# Altium PCB STB_LightBoard.PcbDoc (part 27 of 31)
Units mm, origin at the board's own origin, x right, y up, seen from the top; angles counter-clockwise.
Board outline 348 x 348 mm, 2 copper layers (Top Layer, Bottom Layer), stack 1.672 mm thick; 3807 components, 3391 nets, 11616 pads, 2553 vias.
Unrouted connection lines stored in the file: 68.
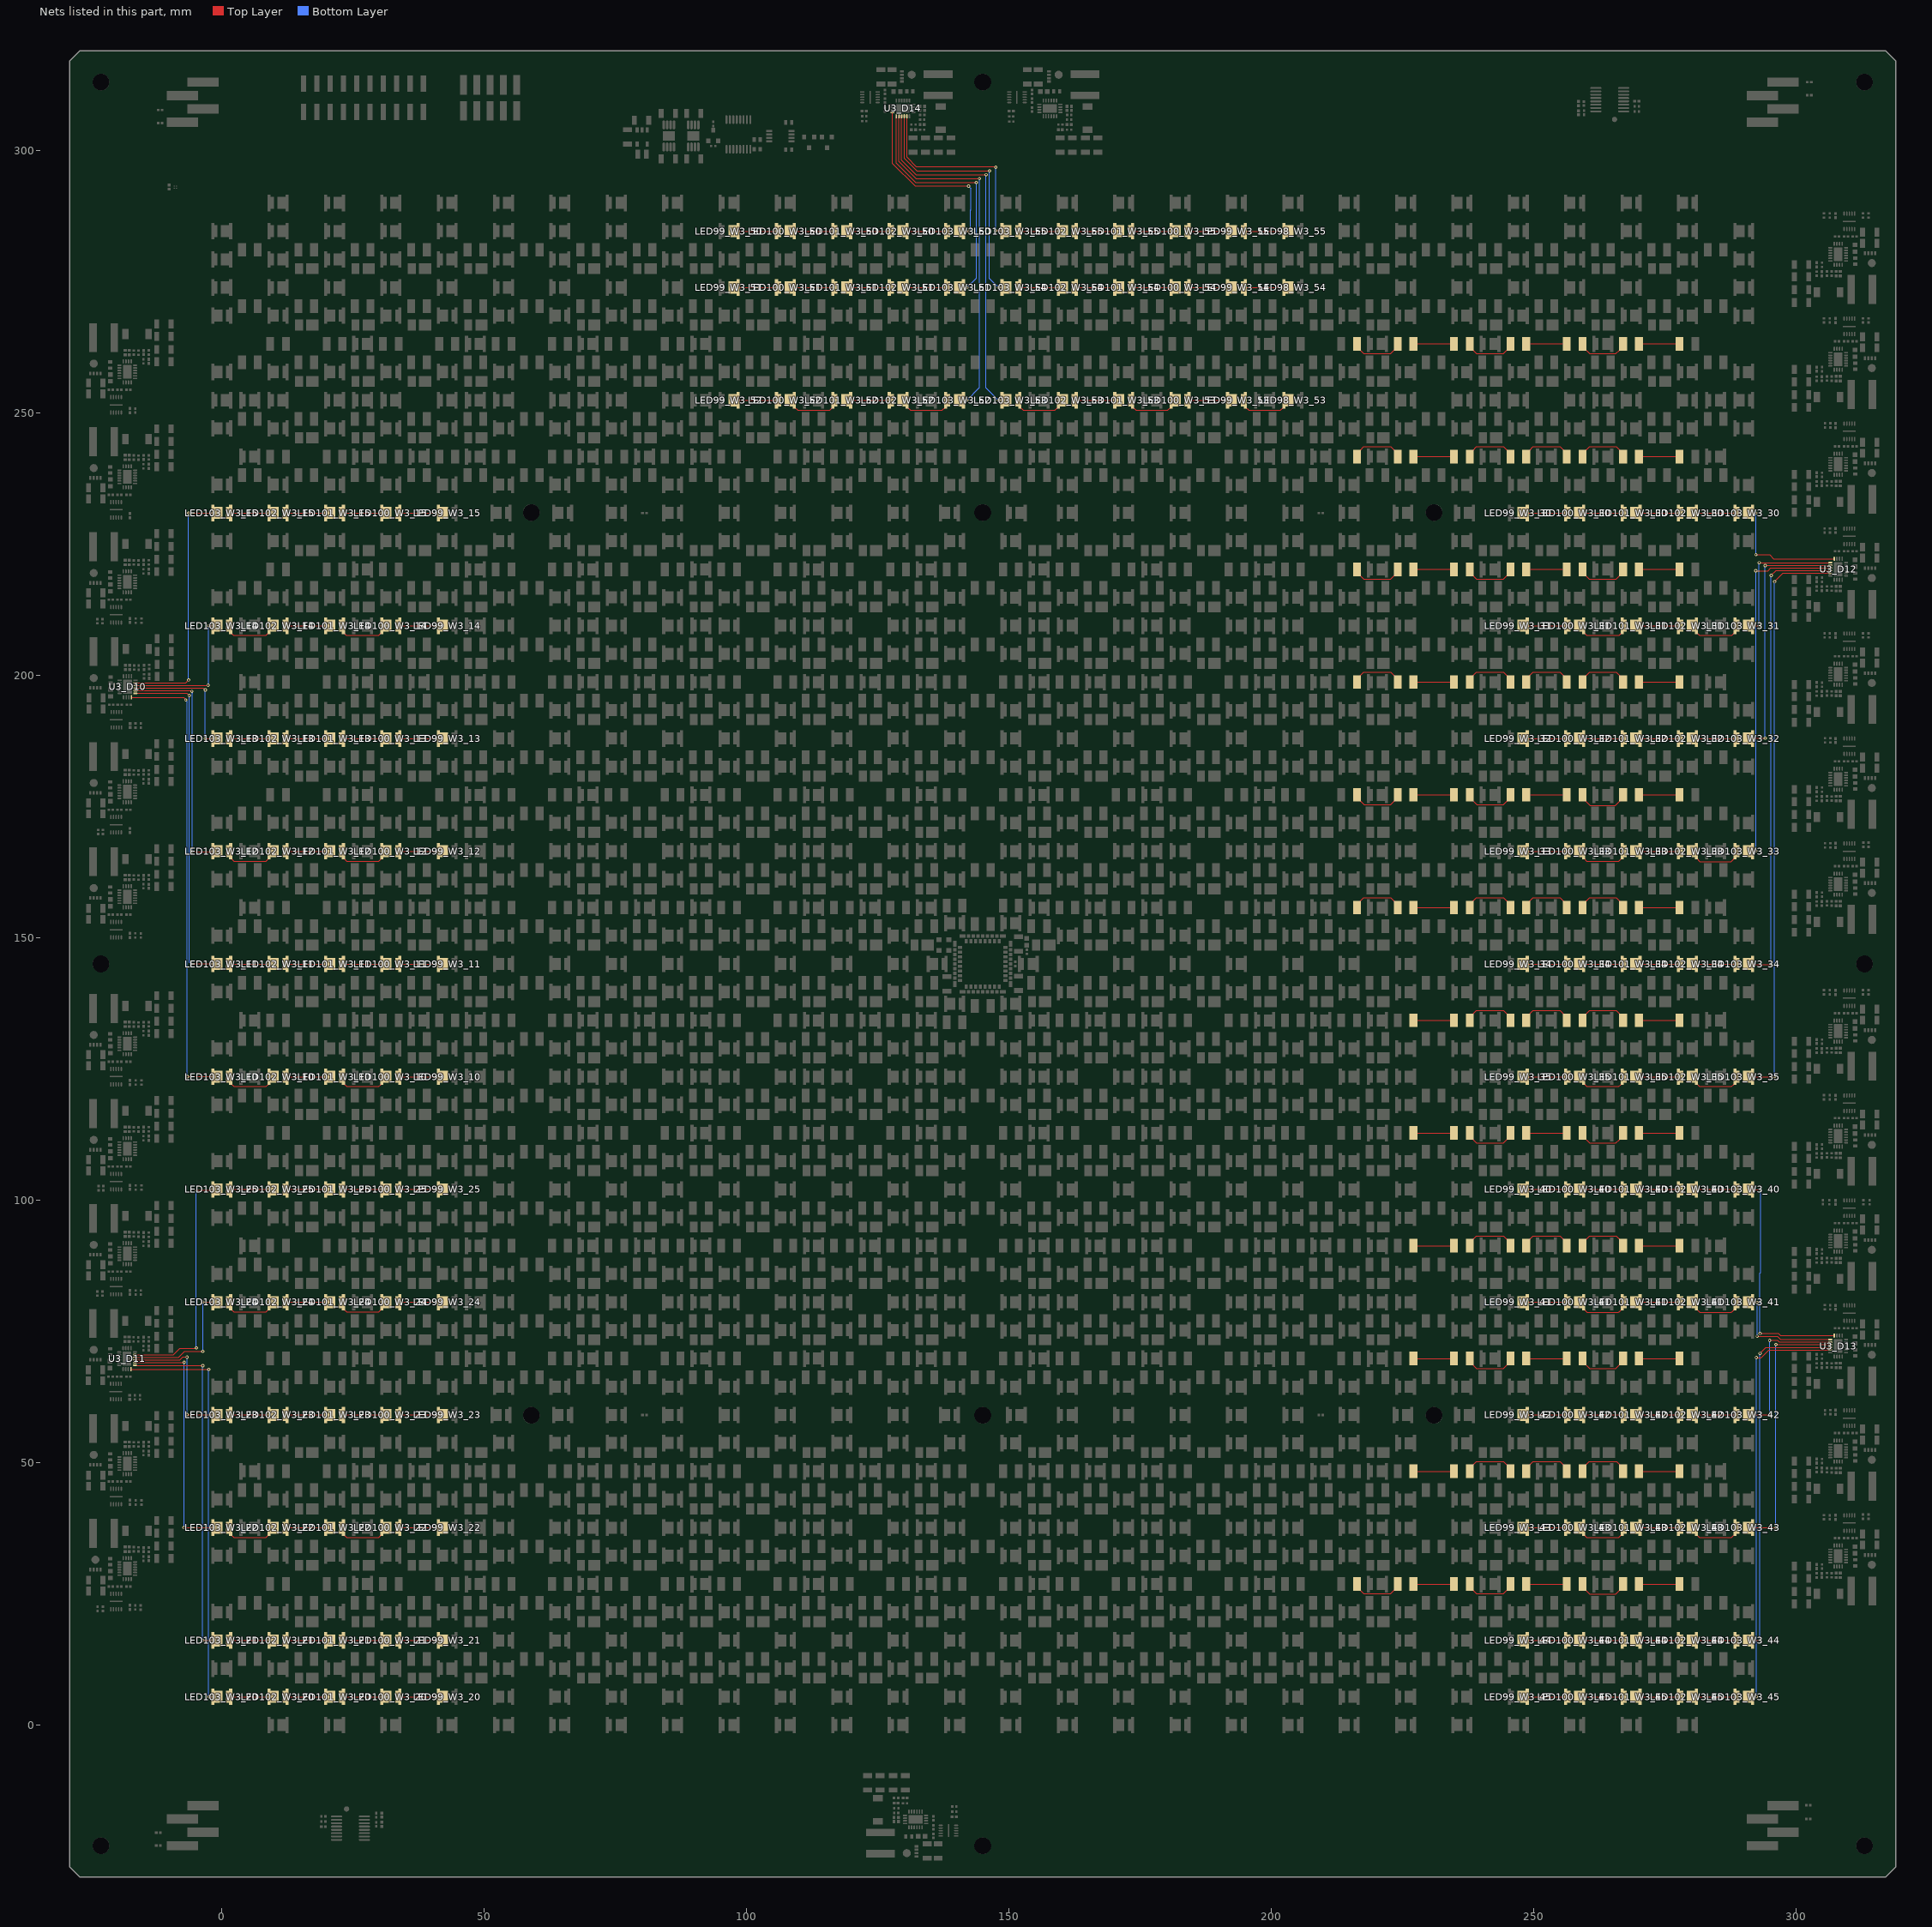
[diagram p27: the nets of this part, all layers, seen from the top]

## Via types
v1: diameter 0.604, hole 0.3, Top Layer to Bottom Layer, tented both sides, 2553 vias

## Nets (pads, with @x,y where several pads share a name; then routed paths per layer and width w, separated by ;. In a path a pad name is that pad's centre, name@x,y a point inside that pad or via, vN(x,y) a via of type N, cw(c..) or ccw(c..) an arc to the next point about the centre after c; other vN are vias at no path point) (continued)
NetLED98_W3_53_1: LED98_W3_53.1 LED99_W3_53.2 | length 14
  Top Layer w0.2: LED98_W3_53.1@202.431,252.368 202.454,252.39 LED98_W3_53.1@203.444,252.39 ; LED99_W3_53.2@195.037,251.115 LED99_W3_53.2@195.038,252.39 LED99_W3_53.2@195.037,251.115 ; LED99_W3_53.2@195.037,251.115 195.652,250.5 201.763,250.5 LED98_W3_53.1@202.378,251.115 ; LED98_W3_53.1@202.378,251.115 LED98_W3_53.1@202.379,252.39 LED98_W3_53.1@202.378,251.115
NetLED98_W3_54_1: LED98_W3_54.1 LED99_W3_54.2 | length 18
  Top Layer w0.2: LED99_W3_54.2@194.665,273.86 195.255,273.86 202.596,273.86 203.661,273.86 202.379,273.86 LED99_W3_54.2@194.665,273.86
NetLED98_W3_55_1: LED98_W3_55.1 LED99_W3_55.2 | length 9
  Top Layer w0.2: LED99_W3_55.2@194.423,284.61 195.488,284.61 202.829,284.61 LED98_W3_55.1@203.419,284.61
NetLED99_W3_10_1: LED99_W3_10.1 LED100_W3_10.2 | length 9
  Top Layer w0.2: LED100_W3_10.2@33.333,123.51 LED100_W3_10.2@33.923,123.51 LED99_W3_10.1@41.264,123.51 LED99_W3_10.1@42.329,123.51
NetLED99_W3_11_1: LED99_W3_11.1 LED100_W3_11.2 | length 9
  Top Layer w0.2: LED100_W3_11.2@33.333,144.99 LED100_W3_11.2@33.923,144.99 LED99_W3_11.1@41.264,144.99 LED99_W3_11.1@42.329,144.99
NetLED99_W3_12_1: LED99_W3_12.1 LED100_W3_12.2 | length 9
  Top Layer w0.2: LED100_W3_12.2@33.333,166.47 LED100_W3_12.2@33.923,166.47 LED99_W3_12.1@41.264,166.47 LED99_W3_12.1@42.329,166.47
NetLED99_W3_13_1: LED99_W3_13.1 LED100_W3_13.2 | length 9
  Top Layer w0.2: LED100_W3_13.2@33.333,187.95 LED100_W3_13.2@33.923,187.95 LED99_W3_13.1@41.264,187.95 LED99_W3_13.1@42.329,187.95
NetLED99_W3_14_1: LED99_W3_14.1 LED100_W3_14.2 | length 9
  Top Layer w0.2: LED100_W3_14.2@33.333,209.43 LED100_W3_14.2@33.923,209.43 LED99_W3_14.1@41.264,209.43 LED99_W3_14.1@42.329,209.43
NetLED99_W3_15_1: LED99_W3_15.1 LED100_W3_15.2 | length 9
  Top Layer w0.2: LED100_W3_15.2@33.333,230.91 LED100_W3_15.2@33.923,230.91 LED99_W3_15.1@41.264,230.91 LED99_W3_15.1@42.329,230.91
NetLED99_W3_20_1: LED99_W3_20.1 LED100_W3_20.2 | length 9
  Top Layer w0.2: LED100_W3_20.2@33.333,5.37 LED100_W3_20.2@33.923,5.37 LED99_W3_20.1@41.264,5.37 LED99_W3_20.1@42.329,5.37
NetLED99_W3_21_1: LED99_W3_21.1 LED100_W3_21.2 | length 9
  Top Layer w0.2: LED100_W3_21.2@33.333,16.11 LED100_W3_21.2@33.923,16.11 LED99_W3_21.1@41.264,16.11 LED99_W3_21.1@42.329,16.11
NetLED99_W3_22_1: LED99_W3_22.1 LED100_W3_22.2 | length 9
  Top Layer w0.2: LED100_W3_22.2@33.333,37.59 LED100_W3_22.2@33.923,37.59 LED99_W3_22.1@41.264,37.59 LED99_W3_22.1@42.329,37.59
NetLED99_W3_23_1: LED99_W3_23.1 LED100_W3_23.2 | length 9
  Top Layer w0.2: LED100_W3_23.2@33.333,59.07 LED100_W3_23.2@33.923,59.07 LED99_W3_23.1@41.264,59.07 LED99_W3_23.1@42.329,59.07
NetLED99_W3_24_1: LED99_W3_24.1 LED100_W3_24.2 | length 9
  Top Layer w0.2: LED100_W3_24.2@33.333,80.55 LED100_W3_24.2@33.923,80.55 LED99_W3_24.1@41.264,80.55 LED99_W3_24.1@42.329,80.55
NetLED99_W3_25_1: LED99_W3_25.1 LED100_W3_25.2 | length 9
  Top Layer w0.2: LED100_W3_25.2@33.333,102.03 LED100_W3_25.2@33.923,102.03 LED99_W3_25.1@41.264,102.03 LED99_W3_25.1@42.329,102.03
NetLED99_W3_30_1: LED99_W3_30.1 LED100_W3_30.2 | length 18
  Top Layer w0.2: LED99_W3_30.1@247.47,230.9 248.06,230.9 255.401,230.9 256.466,230.9 248.743,230.9 LED99_W3_30.1@247.47,230.9
NetLED99_W3_31_1: LED99_W3_31.1 LED100_W3_31.2 | length 8.4
  Top Layer w0.2: LED99_W3_31.1@247.678,209.43 LED99_W3_31.1@248.743,209.43 LED100_W3_31.2@256.084,209.43
NetLED99_W3_32_1: LED99_W3_32.1 LED100_W3_32.2 | length 9
  Top Layer w0.2: LED99_W3_32.1@247.678,187.95 LED99_W3_32.1@248.743,187.95 LED100_W3_32.2@256.084,187.95 LED100_W3_32.2@256.674,187.95
NetLED99_W3_33_1: LED99_W3_33.1 LED100_W3_33.2 | length 8.2
  Top Layer w0.2: LED99_W3_33.1@248.153,166.47 LED99_W3_33.1@248.743,166.47 LED100_W3_33.2@256.084,166.47 LED100_W3_33.2@256.328,166.47
NetLED99_W3_34_1: LED99_W3_34.1 LED100_W3_34.2 | length 9
  Top Layer w0.2: LED99_W3_34.1@247.843,144.99 248.433,144.99 255.774,144.99 LED100_W3_34.2@256.839,144.99
NetLED99_W3_35_1: LED99_W3_35.1 LED100_W3_35.2 | length 7.9
  Top Layer w0.2: LED99_W3_35.1@248.153,123.51 LED99_W3_35.1@248.743,123.51 LED100_W3_35.2@256.084,123.51
NetLED99_W3_40_1: LED99_W3_40.1 LED100_W3_40.2 | length 9
  Top Layer w0.2: LED99_W3_40.1@247.043,102.03 247.633,102.03 254.974,102.03 LED100_W3_40.2@256.039,102.03
NetLED99_W3_41_1: LED99_W3_41.1 LED100_W3_41.2 | length 8.4
  Top Layer w0.2: LED99_W3_41.1@247.678,80.55 LED99_W3_41.1@248.743,80.55 LED100_W3_41.2@256.084,80.55
NetLED99_W3_42_1: LED99_W3_42.1 LED100_W3_42.2 | length 18.5
  Top Layer w0.2: LED99_W3_42.1@248.743,59.07 LED99_W3_42.1@247.678,59.07 ; LED100_W3_42.2@256.084,59.07 LED99_W3_42.1@247.678,59.07 ; LED100_W3_42.2@256.674,59.07 LED99_W3_42.1@247.678,59.07
NetLED99_W3_43_1: LED99_W3_43.1 LED100_W3_43.2 | length 9
  Top Layer w0.2: LED99_W3_43.1@247.678,37.59 LED99_W3_43.1@248.743,37.59 LED100_W3_43.2@256.084,37.59 LED100_W3_43.2@256.674,37.59
NetLED99_W3_44_1: LED99_W3_44.1 LED100_W3_44.2 | length 18.5
  Top Layer w0.2: LED99_W3_44.1@248.743,16.11 LED99_W3_44.1@247.678,16.11 ; LED100_W3_44.2@256.084,16.11 LED99_W3_44.1@247.678,16.11 ; LED100_W3_44.2@256.674,16.11 LED99_W3_44.1@247.678,16.11
NetLED99_W3_45_1: LED99_W3_45.1 LED100_W3_45.2 | length 18.5
  Top Layer w0.2: LED99_W3_45.1@248.743,5.37 LED99_W3_45.1@247.678,5.37 ; LED100_W3_45.2@256.084,5.37 LED99_W3_45.1@247.678,5.37 ; LED100_W3_45.2@256.674,5.37 LED99_W3_45.1@247.678,5.37
NetLED99_W3_50_1: LED99_W3_50.1 LED100_W3_50.2 | length 18
  Top Layer w0.2: LED100_W3_50.2@105.477,284.6 98.136,284.6 97.546,284.6 LED100_W3_50.2@105.477,284.6 ; LED100_W3_50.2@105.477,284.6 106.542,284.6 LED100_W3_50.2@105.477,284.6
NetLED99_W3_51_1: LED99_W3_51.1 LED100_W3_51.2 | length 18
  Top Layer w0.2: LED99_W3_51.1@96.846,273.89 97.436,273.89 104.777,273.89 105.842,273.89 98.369,273.89 LED99_W3_51.1@96.846,273.89
NetLED99_W3_52_1: LED99_W3_52.1 LED100_W3_52.2 | length 9
  Top Layer w0.2: LED99_W3_52.1@97.304,252.39 LED99_W3_52.1@98.369,252.39 LED100_W3_52.2@105.71,252.39 LED100_W3_52.2@106.3,252.39
NetLED99_W3_53_1: LED99_W3_53.1 LED100_W3_53.2 | length 7.9
  Top Layer w0.2: LED100_W3_53.2@183.707,252.39 LED100_W3_53.2@184.297,252.39 LED99_W3_53.1@191.638,252.39
NetLED99_W3_54_1: LED99_W3_54.1 LED100_W3_54.2 | length 18
  Top Layer w0.2: LED100_W3_54.2@183.924,273.86 184.514,273.86 191.855,273.86 192.92,273.86 191.638,273.86 LED100_W3_54.2@183.924,273.86
NetLED99_W3_55_1: LED99_W3_55.1 LED100_W3_55.2 | length 9
  Top Layer w0.2: LED100_W3_55.2@183.682,284.61 184.747,284.61 192.088,284.61 LED99_W3_55.1@192.678,284.61
NetLED100_W3_10_1: LED100_W3_10.1 LED101_W3_10.2 | length 9.1
  Top Layer w0.2: LED101_W3_10.2@23.182,122.235 23.777,121.64 29.928,121.64 30.323,122.035 30.523,122.235 LED100_W3_10.1@30.523,123.51
NetLED100_W3_11_1: LED100_W3_11.1 LED101_W3_11.2 | length 9
  Top Layer w0.2: LED101_W3_11.2@22.592,144.99 LED101_W3_11.2@23.182,144.99 LED100_W3_11.1@30.523,144.99 LED100_W3_11.1@31.588,144.99
NetLED100_W3_12_1: LED100_W3_12.1 LED101_W3_12.2 | length 9.1
  Top Layer w0.2: LED101_W3_12.2@23.182,165.195 23.777,164.6 29.928,164.6 30.323,164.995 30.523,165.195 LED100_W3_12.1@30.523,166.47
NetLED100_W3_13_1: LED100_W3_13.1 LED101_W3_13.2 | length 9
  Top Layer w0.2: LED101_W3_13.2@22.592,187.95 LED101_W3_13.2@23.182,187.95 LED100_W3_13.1@30.523,187.95 LED100_W3_13.1@31.588,187.95
NetLED100_W3_14_1: LED100_W3_14.1 LED101_W3_14.2 | length 12
  Top Layer w0.2: LED101_W3_14.2@22.592,209.43 LED101_W3_14.2@23.182,209.43 23.182,208.155 23.737,207.6 29.968,207.6 30.523,208.155 LED100_W3_14.1@30.523,209.43 LED100_W3_14.1@31.588,209.43
NetLED100_W3_15_1: LED100_W3_15.1 LED101_W3_15.2 | length 9
  Top Layer w0.2: LED101_W3_15.2@22.592,230.91 LED101_W3_15.2@23.182,230.91 LED100_W3_15.1@30.523,230.91 LED100_W3_15.1@31.588,230.91
NetLED100_W3_20_1: LED100_W3_20.1 LED101_W3_20.2 | length 9
  Top Layer w0.2: LED101_W3_20.2@22.592,5.37 LED101_W3_20.2@23.182,5.37 LED100_W3_20.1@30.523,5.37 LED100_W3_20.1@31.588,5.37
NetLED100_W3_21_1: LED100_W3_21.1 LED101_W3_21.2 | length 9
  Top Layer w0.2: LED101_W3_21.2@22.592,16.11 LED101_W3_21.2@23.182,16.11 LED100_W3_21.1@30.523,16.11 LED100_W3_21.1@31.588,16.11
NetLED100_W3_22_1: LED100_W3_22.1 LED101_W3_22.2 | length 9.1
  Top Layer w0.2: LED101_W3_22.2@23.182,36.315 23.777,35.72 29.928,35.72 30.323,36.115 30.523,36.315 LED100_W3_22.1@30.523,37.59
NetLED100_W3_23_1: LED100_W3_23.1 LED101_W3_23.2 | length 9
  Top Layer w0.2: LED101_W3_23.2@22.592,59.07 LED101_W3_23.2@23.182,59.07 LED100_W3_23.1@30.523,59.07 LED100_W3_23.1@31.588,59.07
NetLED100_W3_24_1: LED100_W3_24.1 LED101_W3_24.2 | length 9.1
  Top Layer w0.2: LED101_W3_24.2@23.182,79.275 23.777,78.68 29.928,78.68 30.323,79.075 30.523,79.275 LED100_W3_24.1@30.523,80.55
NetLED100_W3_25_1: LED100_W3_25.1 LED101_W3_25.2 | length 9
  Top Layer w0.2: LED101_W3_25.2@22.592,102.03 LED101_W3_25.2@23.182,102.03 LED100_W3_25.1@30.523,102.03 LED100_W3_25.1@31.588,102.03
NetLED100_W3_30_1: LED100_W3_30.1 LED101_W3_30.2 | length 18
  Top Layer w0.2: LED100_W3_30.1@258.211,230.9 258.801,230.9 266.142,230.9 267.207,230.9 259.484,230.9 LED100_W3_30.1@258.211,230.9
NetLED100_W3_31_1: LED100_W3_31.1 LED101_W3_31.2 | length 11.4
  Top Layer w0.2: LED100_W3_31.1@258.419,209.43 LED100_W3_31.1@259.484,209.43 259.484,208.155 260.039,207.6 266.27,207.6 266.825,208.155 LED101_W3_31.2@266.825,209.43
NetLED100_W3_32_1: LED100_W3_32.1 LED101_W3_32.2 | length 9
  Top Layer w0.2: LED100_W3_32.1@258.419,187.95 LED100_W3_32.1@259.484,187.95 LED101_W3_32.2@266.825,187.95 LED101_W3_32.2@267.415,187.95
NetLED100_W3_33_1: LED100_W3_33.1 LED101_W3_33.2 | length 10.2
  Top Layer w0.2: LED100_W3_33.1@258.419,166.47 LED100_W3_33.1@259.484,166.47 ; LED100_W3_33.1@259.484,165.195 260.079,164.6 266.23,164.6 266.625,164.995 266.825,165.195 LED101_W3_33.2@266.825,166.47
NetLED100_W3_34_1: LED100_W3_34.1 LED101_W3_34.2 | length 9
  Top Layer w0.2: LED100_W3_34.1@258.584,144.99 259.174,144.99 266.515,144.99 LED101_W3_34.2@267.58,144.99
NetLED100_W3_35_1: LED100_W3_35.1 LED101_W3_35.2 | length 7.8
  Top Layer w0.2: LED100_W3_35.1@259.484,122.235 260.079,121.64 266.23,121.64 266.625,122.035 LED101_W3_35.2@266.825,122.235
NetLED100_W3_40_1: LED100_W3_40.1 LED101_W3_40.2 | length 9
  Top Layer w0.2: LED100_W3_40.1@257.784,102.03 258.374,102.03 265.715,102.03 LED101_W3_40.2@266.78,102.03
NetLED100_W3_41_1: LED100_W3_41.1 LED101_W3_41.2 | length 9.2
  Top Layer w0.2: LED100_W3_41.1@259.484,79.275 260.159,78.6 266.11,78.6 266.21,78.7 266.25,78.7 266.825,79.275 LED101_W3_41.2@266.825,80.55
NetLED100_W3_42_1: LED100_W3_42.1 LED101_W3_42.2 | length 18.5
  Top Layer w0.2: LED100_W3_42.1@259.484,59.07 LED100_W3_42.1@258.419,59.07 ; LED101_W3_42.2@266.825,59.07 LED100_W3_42.1@258.419,59.07 ; LED101_W3_42.2@267.415,59.07 LED100_W3_42.1@258.419,59.07
NetLED100_W3_43_1: LED100_W3_43.1 LED101_W3_43.2 | length 9.1
  Top Layer w0.2: LED100_W3_43.1@259.484,36.315 260.079,35.72 266.23,35.72 266.625,36.115 266.825,36.315 LED101_W3_43.2@266.825,37.59
NetLED100_W3_44_1: LED100_W3_44.1 LED101_W3_44.2 | length 18.5
  Top Layer w0.2: LED100_W3_44.1@259.484,16.11 LED100_W3_44.1@258.419,16.11 ; LED101_W3_44.2@266.825,16.11 LED100_W3_44.1@258.419,16.11 ; LED101_W3_44.2@267.415,16.11 LED100_W3_44.1@258.419,16.11
NetLED100_W3_45_1: LED100_W3_45.1 LED101_W3_45.2 | length 18.5
  Top Layer w0.2: LED100_W3_45.1@259.484,5.37 LED100_W3_45.1@258.419,5.37 ; LED101_W3_45.2@266.825,5.37 LED100_W3_45.1@258.419,5.37 ; LED101_W3_45.2@267.415,5.37 LED100_W3_45.1@258.419,5.37
NetLED100_W3_50_1: LED100_W3_50.1 LED101_W3_50.2 | length 18
  Top Layer w0.2: LED101_W3_50.2@116.218,284.6 108.877,284.6 108.287,284.6 LED101_W3_50.2@116.218,284.6 ; LED101_W3_50.2@116.218,284.6 117.283,284.6 LED101_W3_50.2@116.218,284.6
NetLED100_W3_51_1: LED100_W3_51.1 LED101_W3_51.2 | length 18
  Top Layer w0.2: LED100_W3_51.1@107.587,273.89 108.177,273.89 115.518,273.89 116.583,273.89 109.11,273.89 LED100_W3_51.1@107.587,273.89
NetLED100_W3_52_1: LED100_W3_52.1 LED101_W3_52.2 | length 11.4
  Top Layer w0.2: LED100_W3_52.1@108.045,252.39 109.034,252.39 LED100_W3_52.1@109.057,252.368 ; LED100_W3_52.1@109.11,252.39 109.11,251.115 109.725,250.5 115.836,250.5 116.451,251.115 LED101_W3_52.2@116.451,252.39
NetLED100_W3_53_1: LED100_W3_53.1 LED101_W3_53.2 | length 14
  Top Layer w0.2: LED100_W3_53.1@180.949,252.368 180.972,252.39 LED100_W3_53.1@181.962,252.39 ; LED101_W3_53.2@173.555,251.115 LED101_W3_53.2@173.556,252.39 LED101_W3_53.2@173.555,251.115 ; LED101_W3_53.2@173.555,251.115 174.17,250.5 180.281,250.5 LED100_W3_53.1@180.896,251.115 ; LED100_W3_53.1@180.896,251.115 180.896,252.39 LED100_W3_53.1@180.896,251.115
NetLED100_W3_54_1: LED100_W3_54.1 LED101_W3_54.2 | length 27
  Top Layer w0.2: LED101_W3_54.2@172.941,273.87 174.006,273.87 181.347,273.87 LED100_W3_54.1@181.937,273.87 ; LED100_W3_54.1@181.114,273.86 173.773,273.86 173.183,273.86 173.556,273.86 LED100_W3_54.1@181.114,273.86 ; LED100_W3_54.1@181.114,273.86 182.179,273.86 LED100_W3_54.1@181.114,273.86
NetLED100_W3_55_1: LED100_W3_55.1 LED101_W3_55.2 | length 9
  Top Layer w0.2: LED101_W3_55.2@172.941,284.61 174.006,284.61 181.347,284.61 LED100_W3_55.1@181.937,284.61
NetLED101_W3_10_1: LED101_W3_10.1 LED102_W3_10.2 | length 9
  Top Layer w0.2: LED102_W3_10.2@11.851,123.51 LED102_W3_10.2@12.441,123.51 LED101_W3_10.1@19.782,123.51 LED101_W3_10.1@20.847,123.51
NetLED101_W3_11_1: LED101_W3_11.1 LED102_W3_11.2 | length 9
  Top Layer w0.2: LED102_W3_11.2@11.851,144.99 LED102_W3_11.2@12.441,144.99 LED101_W3_11.1@19.782,144.99 LED101_W3_11.1@20.847,144.99
NetLED101_W3_12_1: LED101_W3_12.1 LED102_W3_12.2 | length 9
  Top Layer w0.2: LED102_W3_12.2@11.851,166.47 LED102_W3_12.2@12.441,166.47 LED101_W3_12.1@19.782,166.47 LED101_W3_12.1@20.847,166.47
NetLED101_W3_13_1: LED101_W3_13.1 LED102_W3_13.2 | length 9
  Top Layer w0.2: LED102_W3_13.2@11.851,187.95 LED102_W3_13.2@12.441,187.95 LED101_W3_13.1@19.782,187.95 LED101_W3_13.1@20.847,187.95
NetLED101_W3_14_1: LED101_W3_14.1 LED102_W3_14.2 | length 9
  Top Layer w0.2: LED102_W3_14.2@11.851,209.43 LED102_W3_14.2@12.441,209.43 LED101_W3_14.1@19.782,209.43 LED101_W3_14.1@20.847,209.43
NetLED101_W3_15_1: LED101_W3_15.1 LED102_W3_15.2 | length 9
  Top Layer w0.2: LED102_W3_15.2@11.851,230.91 LED102_W3_15.2@12.441,230.91 LED101_W3_15.1@19.782,230.91 LED101_W3_15.1@20.847,230.91
NetLED101_W3_20_1: LED101_W3_20.1 LED102_W3_20.2 | length 9
  Top Layer w0.2: LED102_W3_20.2@11.851,5.37 LED102_W3_20.2@12.441,5.37 LED101_W3_20.1@19.782,5.37 LED101_W3_20.1@20.847,5.37
NetLED101_W3_21_1: LED101_W3_21.1 LED102_W3_21.2 | length 9
  Top Layer w0.2: LED102_W3_21.2@11.851,16.11 LED102_W3_21.2@12.441,16.11 LED101_W3_21.1@19.782,16.11 LED101_W3_21.1@20.847,16.11
NetLED101_W3_22_1: LED101_W3_22.1 LED102_W3_22.2 | length 9
  Top Layer w0.2: LED102_W3_22.2@11.851,37.59 LED102_W3_22.2@12.441,37.59 LED101_W3_22.1@19.782,37.59 LED101_W3_22.1@20.847,37.59
NetLED101_W3_23_1: LED101_W3_23.1 LED102_W3_23.2 | length 9
  Top Layer w0.2: LED102_W3_23.2@11.851,59.07 LED102_W3_23.2@12.441,59.07 LED101_W3_23.1@19.782,59.07 LED101_W3_23.1@20.847,59.07
NetLED101_W3_24_1: LED101_W3_24.1 LED102_W3_24.2 | length 9
  Top Layer w0.2: LED102_W3_24.2@11.851,80.55 LED102_W3_24.2@12.441,80.55 LED101_W3_24.1@19.782,80.55 LED101_W3_24.1@20.847,80.55
NetLED101_W3_25_1: LED101_W3_25.1 LED102_W3_25.2 | length 9
  Top Layer w0.2: LED102_W3_25.2@11.851,102.03 LED102_W3_25.2@12.441,102.03 LED101_W3_25.1@19.782,102.03 LED101_W3_25.1@20.847,102.03
NetLED101_W3_30_1: LED101_W3_30.1 LED102_W3_30.2 | length 18
  Top Layer w0.2: LED101_W3_30.1@268.952,230.9 269.542,230.9 276.883,230.9 277.948,230.9 270.225,230.9 LED101_W3_30.1@268.952,230.9
NetLED101_W3_31_1: LED101_W3_31.1 LED102_W3_31.2 | length 9
  Top Layer w0.2: LED101_W3_31.1@269.16,209.43 LED101_W3_31.1@270.225,209.43 LED102_W3_31.2@277.566,209.43 LED102_W3_31.2@278.156,209.43
NetLED101_W3_32_1: LED101_W3_32.1 LED102_W3_32.2 | length 9
  Top Layer w0.2: LED101_W3_32.1@269.16,187.95 LED101_W3_32.1@270.225,187.95 LED102_W3_32.2@277.566,187.95 LED102_W3_32.2@278.156,187.95
NetLED101_W3_33_1: LED101_W3_33.1 LED102_W3_33.2 | length 17.2
  Top Layer w0.2: LED101_W3_33.1@269.16,166.47 LED101_W3_33.1@270.225,166.47 ; LED101_W3_33.1@269.635,166.47 LED101_W3_33.1@270.225,166.47 ; LED102_W3_33.2@277.81,166.47 LED102_W3_33.2@277.566,166.47 ; LED102_W3_33.2@278.156,166.47 LED102_W3_33.2@277.566,166.47 ; LED101_W3_33.1@270.225,166.47 LED102_W3_33.2@277.566,166.47 ; LED101_W3_33.1@270.225,166.47 LED102_W3_33.2@277.566,166.47
NetLED101_W3_34_1: LED101_W3_34.1 LED102_W3_34.2 | length 9
  Top Layer w0.2: LED101_W3_34.1@269.325,144.99 269.915,144.99 277.256,144.99 LED102_W3_34.2@278.321,144.99
NetLED101_W3_35_1: LED101_W3_35.1 LED102_W3_35.2 | length 7.9
  Top Layer w0.2: LED101_W3_35.1@269.635,123.51 LED101_W3_35.1@270.225,123.51 LED102_W3_35.2@277.566,123.51
NetLED101_W3_40_1: LED101_W3_40.1 LED102_W3_40.2 | length 9
  Top Layer w0.2: LED101_W3_40.1@268.525,102.03 269.115,102.03 276.456,102.03 LED102_W3_40.2@277.521,102.03
NetLED101_W3_41_1: LED101_W3_41.1 LED102_W3_41.2 | length 8.4
  Top Layer w0.2: LED101_W3_41.1@269.16,80.55 LED101_W3_41.1@270.225,80.55 LED102_W3_41.2@277.566,80.55
NetLED101_W3_42_1: LED101_W3_42.1 LED102_W3_42.2 | length 18.5
  Top Layer w0.2: LED101_W3_42.1@270.225,59.07 LED101_W3_42.1@269.16,59.07 ; LED102_W3_42.2@277.566,59.07 LED101_W3_42.1@269.16,59.07 ; LED102_W3_42.2@278.156,59.07 LED101_W3_42.1@269.16,59.07
NetLED101_W3_43_1: LED101_W3_43.1 LED102_W3_43.2 | length 9
  Top Layer w0.2: LED101_W3_43.1@269.16,37.59 LED101_W3_43.1@270.225,37.59 LED102_W3_43.2@277.566,37.59 LED102_W3_43.2@278.156,37.59
NetLED101_W3_44_1: LED101_W3_44.1 LED102_W3_44.2 | length 9.5
  Top Layer w0.2: LED101_W3_44.1@270.225,16.11 LED101_W3_44.1@269.16,16.11 LED102_W3_44.2@277.566,16.11
NetLED101_W3_45_1: LED101_W3_45.1 LED102_W3_45.2 | length 18.5
  Top Layer w0.2: LED101_W3_45.1@270.225,5.37 LED101_W3_45.1@269.16,5.37 ; LED102_W3_45.2@277.566,5.37 LED101_W3_45.1@269.16,5.37 ; LED102_W3_45.2@278.156,5.37 LED101_W3_45.1@269.16,5.37
NetLED101_W3_50_1: LED101_W3_50.1 LED102_W3_50.2 | length 18
  Top Layer w0.2: LED102_W3_50.2@126.959,284.6 119.618,284.6 119.028,284.6 LED102_W3_50.2@126.959,284.6 ; LED102_W3_50.2@126.959,284.6 128.024,284.6 LED102_W3_50.2@126.959,284.6
NetLED101_W3_51_1: LED101_W3_51.1 LED102_W3_51.2 | length 18
  Top Layer w0.2: LED101_W3_51.1@118.328,273.89 118.918,273.89 126.259,273.89 127.324,273.89 119.851,273.89 LED101_W3_51.1@118.328,273.89
NetLED101_W3_52_1: LED101_W3_52.1 LED102_W3_52.2 | length 9
  Top Layer w0.2: LED101_W3_52.1@118.786,252.39 LED101_W3_52.1@119.851,252.39 LED102_W3_52.2@127.192,252.39 LED102_W3_52.2@127.782,252.39
NetLED101_W3_53_1: LED101_W3_53.1 LED102_W3_53.2 | length 7.9
  Top Layer w0.2: LED102_W3_53.2@162.225,252.39 LED102_W3_53.2@162.815,252.39 LED101_W3_53.1@170.156,252.39
NetLED101_W3_54_1: LED101_W3_54.1 LED102_W3_54.2 | length 27
  Top Layer w0.2: LED102_W3_54.2@162.2,273.87 163.265,273.87 170.606,273.87 LED101_W3_54.1@171.196,273.87 ; LED101_W3_54.1@170.373,273.86 163.032,273.86 162.442,273.86 162.815,273.86 LED101_W3_54.1@170.373,273.86 ; LED101_W3_54.1@170.373,273.86 171.438,273.86 LED101_W3_54.1@170.373,273.86
NetLED101_W3_55_1: LED101_W3_55.1 LED102_W3_55.2 | length 9
  Top Layer w0.2: LED102_W3_55.2@162.2,284.61 163.265,284.61 170.606,284.61 LED101_W3_55.1@171.196,284.61
NetLED102_W3_10_1: LED102_W3_10.1 LED103_W3_10.2 | length 9.1
  Top Layer w0.2: LED103_W3_10.2@1.7,122.235 2.295,121.64 8.446,121.64 8.841,122.035 9.041,122.235 LED102_W3_10.1@9.041,123.51
NetLED102_W3_11_1: LED102_W3_11.1 LED103_W3_11.2 | length 8.4
  Top Layer w0.2: LED103_W3_11.2@1.7,144.99 LED102_W3_11.1@9.041,144.99 LED102_W3_11.1@10.106,144.99
NetLED102_W3_12_1: LED102_W3_12.1 LED103_W3_12.2 | length 10.4
  Top Layer w0.2: LED103_W3_12.2@1.7,166.47 1.7,165.195 2.295,164.6 8.446,164.6 8.841,164.995 9.041,165.195 LED102_W3_12.1@9.041,166.47
NetLED102_W3_13_1: LED102_W3_13.1 LED103_W3_13.2 | length 8.4
  Top Layer w0.2: LED103_W3_13.2@1.7,187.95 LED102_W3_13.1@9.041,187.95 LED102_W3_13.1@10.106,187.95
NetLED102_W3_14_1: LED102_W3_14.1 LED103_W3_14.2 | length 10.4
  Top Layer w0.2: LED103_W3_14.2@1.7,209.43 1.7,208.155 2.272,207.583 8.469,207.583 9.041,208.155 LED102_W3_14.1@9.041,209.43